# Altium PCB Cortes.PcbDoc (part 3 of 4) (continued)
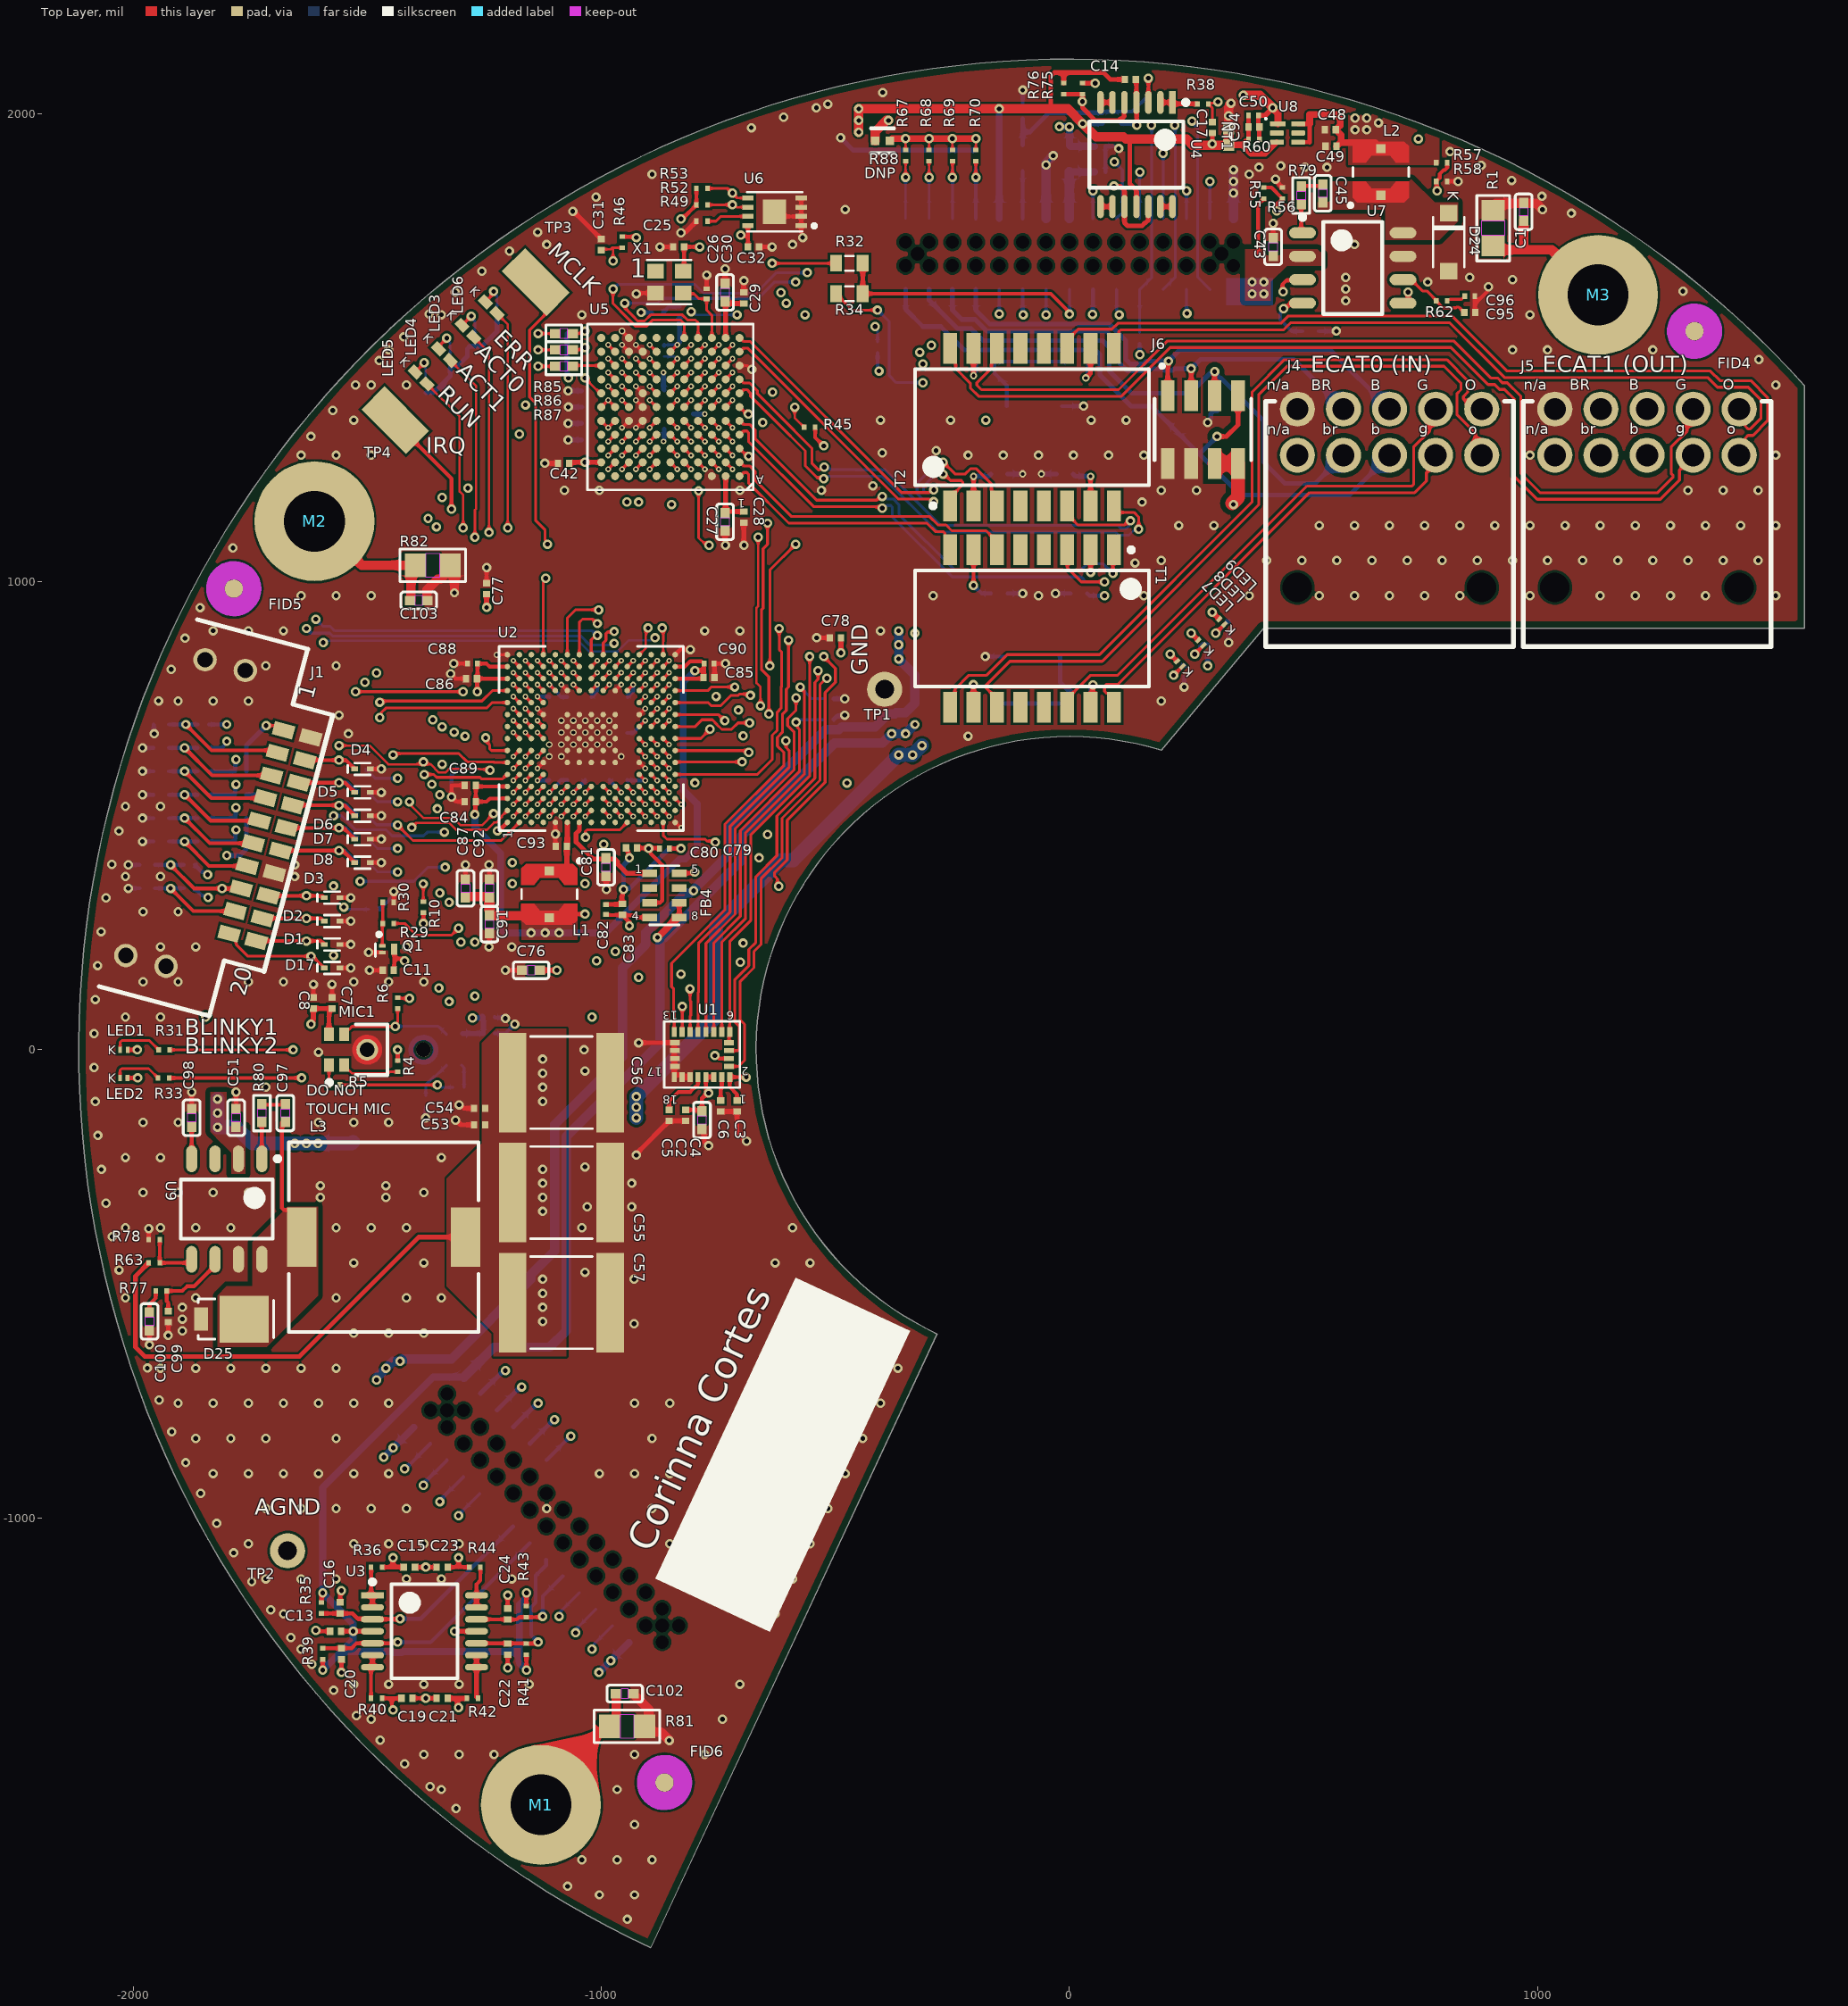
[diagram p0: Top Layer view]
## Nets (pads, with @x,y where several pads share a name; then routed paths per layer and width w, separated by ;. In a path a pad name is that pad's centre, name@x,y a point inside that pad or via, vN(x,y) a via of type N, cw(c..) or ccw(c..) an arc to the next point about the centre after c; other vN are vias at no path point) (continued)
GD_PWM_HA: J2.6 U2.E14 | length 2321.7
  Top Layer w5: v3(-1110.98,831.28) U2.E14@-1098.19,818.49
  SL1 w6: v3(-1110.98,831.28) -1110.98,974.02 -1080,1005 -486.57,1005 -471.41,1020.16 -471.41,1020.58 -451,1040.99 -451,1696.22 -382.22,1765 -72.22,1765 -22.22,1815 60,1815 72,1827 155.11,1827 163.11,1835 v1(250,1835)
  Bottom Layer w6: J2.6@250,1775.79 v1(250,1835)
GD_PWM_HB: J2.10 U2.D14 | length 2327.6
  Top Layer w5: v3(-1136.57,831.28) U2.D14@-1123.78,818.49
  SL1 w6: v3(-1136.57,831.28) -1136.57,1014.89 -1113.47,1038 -500.66,1038 -484,1054.66 -484,1709.89 -395.89,1798 -85.89,1798 -8.89,1875 v1(150,1875)
  Bottom Layer w6: J2.10@150,1775.79 v1(150,1875)
GD_PWM_HC: J2.14 U2.D13 | length 2166.8
  Top Layer w5: v3(-1136.57,805.69) U2.D13@-1123.78,792.9
  SL1 w4: v3(-1136.57,805.69) -1123.78,818.49 -1123.78,844.08
  SL1 w6: -1123.78,844.08 -1123.78,976.78 -1084.56,1016 -491.54,1016 -462,1045.54 -462,1700.77 -386.77,1776 -76.77,1776 -17.77,1835 v1(50,1835)
  Bottom Layer w6: J2.14@50,1775.79 v1(50,1835)
GD_PWM_LA: J2.4 U2.D15 | length 2404.8
  Top Layer w6: U2.D15@-1123.78,844.08 -1123.78,998.44 -1118.57,1003.65 v1(-1118.57,1007.44)
  SL1 w6: v1(-1118.57,1007.44) -1099.01,1027 -496.1,1027 -473,1050.1 -473,1705.33 -391.33,1787 -81.33,1787 -5.33,1863 136.54,1863 144.54,1855 v1(300,1855)
  Bottom Layer w6: J2.4@300,1775.79 v1(300,1855)
GD_PWM_LB: J2.8 U2.B14 | length 2498.2
  Top Layer w5: v3(-1187.76,831.28) U2.B14@-1174.96,818.49
  SL1 w6: v3(-1187.76,831.28) -1187.76,997.24 -1125,1060 -509.77,1060 -506,1063.77 -506,1719 -405,1820 -95,1820 0,1915 69.54,1915 97.54,1943 172,1943 v1(200,1915)
  Bottom Layer w6: J2.8@200,1775.79 v1(200,1915)
GD_PWM_LC: J2.12 U2.C14 | length 2342.1
  Top Layer w5: v3(-1162.17,831.28) U2.C14@-1149.37,818.49
  SL1 w6: v3(-1162.17,831.28) -1162.17,1004.86 -1118.02,1049 -505.21,1049 -495,1059.21 -495,1714.44 -400.44,1809 -90.44,1809 3.99,1903.44 85.62,1903.44 92.05,1897 v1(95.84,1897)
  Bottom Layer w6: v1(95.84,1897) 113,1879.84 113,1828.99 112.75,1828.74 112.75,1788.54 J2.12@100,1775.79
GD_SPI_CLK: J2.3 U2.B7 | length 3338.3
  Top Layer w5: v3(-1187.76,626.56) U2.B7@-1174.96,639.35
  SL1 w6: v3(-1187.76,626.56) -1211.56,626.56 -1215,630 -1275.2,630 -1276.7,631.5 -1315.71,631.5 -1320.49,631.5 -1327.99,639 -1362.99,639 -1367.99,644 -1399,644 -1455,700 -1455,1206.11 -1232,1429.11 -1232,1555.78 -950.78,1837 -870.78,1837 -787.78,1920 -410,1920 -365,1965 -80.56,1965 -38.37,2007.19 252.81,2007.19 259.32,2000.68 259.32,1986.68 v1(262,1984)
  Bottom Layer w6: v1(262,1984) 262,1980.21 273.75,1968.46 273.75,1745.54 273.64,1745.44 273.64,1698.1 273.75,1697.99 273.75,1650.65 300,1624.4 J2.3@300,1624.21
GD_SPI_CS: J2.5 U2.G12 | length 2051.7
  Top Layer w5: v3(-1059.8,780.1) U2.G12@-1047.01,767.31
  SL1 w5: v3(-1059.8,780.1) -1029.51,810.4 -1029.51,920.85
  SL1 w6: -1029.51,920.85 -1029.51,940.4 -1012.83,957.08 -451.25,957.08 -392,1016.33 -392,1091.89 -353,1130.89 -353,1510.44 -340.44,1523 201,1523 v2(251,1573)
  Bottom Layer w6: J2.5@250,1624.21 250,1574 v2(251,1573)
GD_SPI_MISO: J2.9 R66.1 U2.D8 | length 3300.3
  Top Layer w5: v3(-1136.57,677.74) U2.D8@-1123.78,664.94
  SL1 w6: v3(-1136.57,677.74) -1164.76,649.56 -1241.61,649.56 -1242.17,649 -1267.33,649 -1269.33,651 -1308.88,651 -1315.71,657.83 -1318.88,661 -1322.09,661 -1327.09,666 -1389.89,666 -1433,709.11 -1433,1197 -1210,1420 -1210,1546.67 -943.67,1813 -942,1813 -940,1815 -861.67,1815 -784.13,1892.54 -361.45,1892.54 -358.99,1895 -75,1895 -16.57,1953.43 68.69,1953.43 69.26,1954 154.52,1954 157.84,1957.32 161.57,1957.32 164.2,1959.96 164.2,1960.41 175,1971.21 v1(175,1975)
  Bottom Layer w6: R66.1@150,1531.81 150,1624.21 175.75,1649.96 175.75,1974.25 v1(175,1975)
GD_SPI_MOSI: J2.7 U2.C7 | length 3272.6
  Top Layer w5: v3(-1162.17,626.56) U2.C7@-1149.37,639.35
  SL1 w6: v3(-1162.17,626.56) -1175.67,640.06 -1237.67,640.06 -1238.23,639.5 -1271.27,639.5 -1273.27,641.5 -1312.81,641.5 -1315.31,644 -1315.71,644 -1317.43,644 -1323.43,650 -1356.44,650 -1361.44,655 -1394.44,655 -1444,704.56 -1444,1201.56 -1221,1424.56 -1221,1551.23 -946.23,1826 -866.23,1826 -788.69,1903.54 -366.01,1903.54 -363.54,1906 -124,1906 -33.81,1996.19 203.81,1996.19 v1(225,1975)
  Bottom Layer w6: J2.7@200,1624.21 225.75,1649.96 225.75,1974.25 v1(225,1975)
GND: C1.2 C2.2 C3.2 C4.2 C5.2 C6.2 C7.2 C8.2 C9.2 C10.2 C11.2 C12.2 C25.2 C26.2 C27.1 C28.1 C29.2 C30.2 C31.2 C32.2 C33.2 C34.1 C35.1 C36.1 C37.1 C38.1 C39.1 C40.1 C41.1 C42.1 C43.2 C44.2 C46.2 C47.2 C48.2 C49.2 C51.2 C52.2 C53.2 C54.2 C55.2 C56.2 C57.2 C58.2 C59.2 C60.2 C61.2 C62.2 C63.2 C64.2 C65.2 C66.2 C67.2 C68.2 C69.2 C70.2 C71.2 C72.2 C73.2 C74.2 C75.2 C76.2 C77.2 C78.2 C81.2 C84.2 C85.2 C86.2 C87.2 C88.2 C89.2 C90.2 C91.1 C92.1 C93.2 C95.2 C96.2 C98.2 C99.1 C100.2 C101.2 C102.2 C103.2 D1.A D2.A D3.A D4.A D5.A D6.A D7.A D8.A D9.A D10.A D11.A D12.A D13.A D14.A D15.A D16.A D17.A D18.A D19.A D20.A D21.A D22.A D23.3 D24.A D25.A J1.2 J1.14 J1.MH1 J1.MH2 J1.MH3 J1.MH4 J2.2 J2.18 J4.5 J5.5 J6.2 J6.4 MIC1.3 MIC2.3 NT1.1 Q1.2 R1.1 R2.1 R3.1 R8.1 R9.1 R28.1 R30.1 R47.1 R48.1 R49.1 R51.1 R54.1 R56.1 R58.1 R59.2 R64.2 R78.1 R81.1 R82.1 TP1.1 U1.14 U1.15 U1.16 U1.17 U1.18 U1.19 U1.20 U2.A1 U2.A15 U2.C2 U2.D6 U2.D10 U2.E1 U2.F2 U2.F6 U2.F7 U2.F8 U2.F9 U2.F10 U2.F12 U2.G6 U2.G7 U2.G8 U2.G9 U2.G10 U2.H6 U2.H7 U2.H8 U2.H9 U2.H10 U2.J6 U2.J7 U2.J8 U2.J9 U2.J10 U2.J14 U2.K2 U2.K6 U2.K7 U2.K8 U2.K9 U2.K10 U2.K12 U2.M6 U2.M10 U2.R1 U2.R15 U5.A3 U5.B4 U5.B6 U5.B8 U5.B10 U5.C1 U5.E5 U5.E8 U5.E9 U5.F1 U5.F5 U5.F8 U5.G5 U5.G8 U5.J1 U5.J6 U5.J7 U5.K8 U5.K9 U5.L9 U6.1 U6.2 U6.3 U6.4 U6.9 U7.7 U9.7 X1.2 | length 5416.7
  Top Layer w5: v4(-1223.04,843.6) -1222.56,844.08 U2.A15@-1200.55,844.08 ; v3(-1162.17,498.61) U2.C2@-1149.37,511.4 ; v3(-1136.57,600.97) U2.D6@-1123.78,613.76 ; v3(-1136.57,728.92) U2.D10@-1123.78,716.13 ; v3(-1085.39,498.61) U2.F2@-1072.6,511.4 ; v3(-1085.39,780.1) U2.F12@-1072.6,767.31 ; U2.J14@-995.83,818.49 v3(-983.03,831.28) ; v3(-985.33,1240.16) U5.B10@-970.57,1254.93 ; v4@-983.03,700.83 v4(-983.03,703.33) ; U2.K9@-972.74,690.54 U2.K9@-970.24,690.54 ; U2.K2@-970.24,511.4 v3(-957.44,498.61) ; U2.K12@-970.24,767.31 v3(-957.44,780.1) ; v3(-955.81,1328.74) U5.E9@-941.04,1343.51 ; v3(-955.81,1505.91) U5.K9@-941.04,1491.15 ; v4(-955.81,1535.44) U5.L9@-941.04,1520.67 ; v3(-926.28,1240.16) U5.B8@-911.52,1254.93 ; v3(-926.28,1328.74) U5.E8@-911.52,1343.51 ; v3(-926.28,1387.8) U5.F8@-911.52,1373.04 ; v3(-926.28,1417.33) U5.G8@-911.52,1402.56 ; v3(-926.28,1505.91) U5.K8@-911.52,1491.15 ; U2.M6@-919.05,613.76 v3(-906.26,600.97) ; U2.M10@-919.05,716.13 v3(-906.26,728.92) ; v3(-896.75,1476.38) U5.J7@-881.99,1461.62 ; U5.B6@-852.46,1254.93 v3(-837.7,1240.16) ; U5.J6@-852.46,1461.62 v3(-837.7,1476.38) ; U2.R1@-842.28,485.81 -841.54,485.81 -830.23,474.5 v6(-829.49,474.5) ; U5.E5@-822.93,1343.51 v3(-808.17,1328.74) ; U5.F5@-822.93,1373.04 v3(-808.17,1387.8) ; U5.G5@-822.93,1402.56 v3(-808.17,1417.33) ; U5.B4@-793.41,1254.93 v3(-778.64,1240.16) ; U5.C1@-704.82,1284.45 -688.33,1267.96 v2(-685.27,1267.96) v2@-684.04,1266.73 ; U5.F1@-704.82,1373.04 -689.57,1357.78 v2(-686.15,1357.78) v2@-684.67,1356.3 ; U5.J1@-704.82,1461.62 -688.58,1461.62 -680.57,1453.61 v2(-678.15,1453.61)
  Top Layer w8: R78.1@-1966.81,-405 v1(-1966.81,-381.81) ; v1(-1965,-630) C100.2@-1965,-597.72 ; v1(-1925,-610) C99.1@-1925,-581.81 ; C98.2@-1875,-127.28 v2(-1875,-90) ; C51.2@-1780,-127.28 v1(-1780,-90) ; C8.2@-1615,111.81 v1(-1615,140) ; C7.2@-1575,111.81 v1(-1575,140) ; D17.A@-1558.46,175 v1(-1535,175) ; D1.A@-1558.46,225 v1(-1535,225) ; D2.A@-1558.46,275 v1(-1535,275) ; D3.A@-1558.46,325 v1(-1535,325) ; v1(-1496.89,208.11) Q1.2@-1467.8,208.11 ; v1(-1495,170) C11.2@-1466.81,170 ; D8.A@-1493.46,400 v1(-1470,400) ; D7.A@-1493.46,450 v1(-1470,450) ; D6.A@-1493.46,500 v1(-1470,500) ; D5.A@-1493.46,550 v1(-1470,550) ; D4.A@-1493.46,600 v1(-1470,600) ; R30.1@-1443.19,315 v1(-1443.19,338.19) ; v1(-1322,803.31) -1321.73,803.31 -1311.31,792.9 C86.2@-1289.13,792.9 ; v1(-1315,825) C88.2@-1285.63,825 ; C84.2@-1291.81,530 -1309.31,530 -1319.31,540 v1(-1320,540) -1320,565 C89.2@-1291.81,565 ; C87.2@-1290.12,362.78 -1290.12,394.88 v1(-1290,395) ; C77.2@-1245,996.81 v1(-1245,1030) ; v1(-1240,220) -1238.94,221.06 C91.1@-1238.94,250.57 ; v1(-1240,395) -1238.94,393.94 C92.1@-1238.94,362.78 ; v1(-1221.58,468) -1218.36,468 U2.A1@-1200.55,485.81 ; v1(-1205,170) C76.2@-1167.72,170 ; U2.E1@-1098.19,485.81 v1(-1098.19,460.71) -1098.19,435.61 C93.2@-1097.2,434.63 ; v1(-925,1615) -923.62,1616.38 X1.2@-884.53,1616.38 ; v1(-875,1715) C25.2@-846.81,1715 ; U2.R15@-842.28,844.08 -830.69,855.67 -810.59,855.67 v1(-809.88,854.96) ; C26.2@-775,1625.63 v1(-775,1655) ; C90.2@-759.37,825 v1(-735,825) ; C32.2@-663.19,1715 v1(-635,1715) ; U6.9@-630,1790 -620.16,1780.16 U6.2@-572.91,1780.16 ; U6.4@-572.91,1819.53 U6.3@-572.91,1799.84 U6.2@-572.91,1780.16 ; v1(-570,1735) -572.3,1737.3 -572.3,1744.54 -572.91,1745.16 U6.1@-572.91,1760.47 U6.2@-572.91,1780.16 ; v1(-540,880) C78.2@-511.81,880 ; C43.2@435,1732.72 v1(435,1765) ; v1(440,1860) 440,1856.81 453.09,1843.72 453.09,1842.73 454.02,1841.81 R56.1@455,1841.81 ; R58.1@806.81,1855 v1(830,1855) ; C95.2@865.63,1576.18 865.63,1593.09 ; C96.2@865.63,1610 865.63,1593.09 ; v1(895,1630) 892.7,1627.7 892.7,1620.16 865.63,1593.09
  Top Layer w10: v1@-1314.16,-150 v1(-1311.46,-150) -1310.6,-150 -1300.6,-160 C53.2@-1271.81,-160 ; v1(-1303.58,-117.51) -1300.87,-117.51 -1293.39,-125 C54.2@-1271.81,-125 ; v1(-1120.69,1252.88) C42.1@-1092.5,1252.88 ; v1(-1061.06,1791.06) -1059.25,1791.06 -1002.87,1734.68 -1002.87,1733.7 -1000.98,1731.81 C31.2@-1000,1731.81 ; C81.2@-990,372.28 -989.51,371.79 -989.51,342.99 v1(-989.01,342.5) ; v1(-925,-225) -925,-222.29 -920,-217.29 -920,-216.81 -857.87,-154.69 -857.87,-153.7 -855.98,-151.81 C2.2@-820,-151.81 ; v1(-920,15) U1.14@-843.27,15 ; U1.14@-842.87,15.39 U1.14@-843.27,15 ; v1(-830,1745) -828.09,1746.91 -819.9,1746.91 R49.1@-796.81,1770 ; U1.20@-810.39,-58.03 -825.91,-58.03 -830.94,-53 -839.22,-53 U1.18@-844.25,-58.03 -844.25,14.02 U1.14@-843.27,15 ; C4.2@-785,-167.72 -780,-172.72 -780,-196.29 -771.29,-205 v1(-771,-205) ; C90.2@-759.25,824.88 -759.25,820.54 -758.19,819.47 C85.2@-758.19,795 ; C6.2@-745,-131.81 C3.2@-710,-131.81 -710,-175 -690.23,-194.77 v1(-689.77,-194.77) ; C27.1@-735.69,1110.16 -735.69,1078.69 v1(-735,1078) ; C30.2@-735.69,1635.59 v1(-735.69,1667.88) ; C28.1@-695.69,1126.07 -695.69,1078.69 v1(-695,1078) ; C29.2@-695.69,1617.88 v1(-695.69,1642.88)
  Top Layer w20: C103.2@-1372.28,960 -1372.28,982.2 -1349.2,1005.29 -1343.45,1005.29 -1313.74,1035 v1(-1313.74,976.26) ; C102.2@-932.28,-1375 -898.74,-1408.54 -898.74,-1445 -886.1,-1457.64 -872.36,-1457.64 v1(-855,-1475) ; NT1.1@340,1967.72 340,2012.36 342.28,2014.64 342.28,2019.3 v1(345,2022.02) ; R1.1@905,1801.26 911.46,1807.72 970,1807.72 997.28,1807.72 v1(1010,1795)
  Bottom Layer w5: C33.2@-865.69,1481.07 -844.82,1481.07 -840.13,1476.38 v3(-837.7,1476.38)
  Bottom Layer w8: v1(-2010,345) D16.A@-1986.54,345 ; v1(-2010,395) D15.A@-1986.54,395 ; v1(-1980,445) D14.A@-1956.54,445 ; v1(-1980,495) D13.A@-1956.54,495 ; v1(-1980,545) D12.A@-1956.54,545 ; v1(-1980,595) D11.A@-1956.54,595 ; v1(-1980,645) D10.A@-1956.54,645 ; D9.A@-1956.54,695 -1955.77,694.23 -1955.77,675.77 v1(-1955,675) ; R28.1@-1473.19,300 -1445.49,327.7 v1@-1445.49,335.89 ; v1(-1375,-145) R8.1@-1375,-121.81 ; v1(-1320,540) -1320,586.81 R9.1@-1306.81,600 ; C9.2@-1228.19,35 -1205,35 v1(-1185,55) ; C10.2@-1228.19,70 -1226.69,68.5 -1206.5,68.5 v1(-1205,67) ; v1(-180,840) C64.2@-139.06,840 ; C60.2@-132.28,975 v1(-100,975) ; D18.A@-100,2021.54 v1(-100,2050) ; v1(-30,975) C61.2@2.28,975 ; C65.2@-15.94,1375 v1(30,1375) ; C59.2@76.81,1875 C58.2@76.81,1930 94.31,1930 95.02,1930.7 96.05,1930.7 101.75,1925 v1(105,1925) ; v1(245,775) R59.2@245,798.19 ; v1(340,870) R64.2@340,893.19 ; C52.2@532.72,1535 v1(570,1535)
  Bottom Layer w10: R51.1@-1375,1403.19 -1359.09,1403.19 -1340.78,1421.5 ; v1(-1325,1405) -1325,1405.72 -1340.78,1421.5 ; R54.1@-1222.47,1560.66 -1222.47,1534.81 -1254.09,1503.19 R47.1@-1270,1503.19 -1280.05,1503.19 -1285.91,1497.33 -1285.91,1481.32 -1306.57,1460.66 R48.1@-1322.47,1460.66 -1322.47,1439.81 -1340.78,1421.5 ; v1(-1070.69,1302.88) C41.1@-1042.5,1302.88 ; v1(-1070.69,1337.88) C40.1@-1042.5,1337.88 ; v1(-1070.69,1407.88) C38.1@-1042.5,1407.88 ; v1(-1070.53,1373.04) C39.1@-1041.44,1373.04 ; v3(-867.22,1446.85) -867.22,1411.22 C37.1@-865.69,1409.69 ; v3(-866.96,1299.48) -866.96,1300.57 -865.69,1301.83 C36.1@-865.69,1326.07 ; C35.1@-803.88,1357.88 -779.04,1357.88 v3(-778.91,1358) ; R2.1@-503.19,750 v1(-480,750) ; R3.1@-503.11,705.91 -495.93,713.09 -481.91,713.09 v1(-480,715) ; v1(-489,1948.5) -462.04,1921.54 D21.A@-300,1921.54 D20.A@-250,1921.54 D19.A@-200,1921.54 ; C63.2@-132.28,1230 v5(-100,1230) ; v5(-60,1230) C62.2@-27.72,1230 ; v1(295,1340) 295,1342.71 301.65,1349.36 301.65,1358.19 308.46,1365 D23.3@315.35,1365
  Bottom Layer w20: J2.18@-50,1775.79 -50,1890 v1(-50.23,1890.23) -50.23,1894.77 -35.23,1909.77 v1(-34.77,1909.77) ; J2.2@350,1775.79 v1(350,1830) v1(350,1855) v1(350,1880)
  other v1: -1895,-600 -930,-585 -1895,-575 -1895,-550 -930,-490 -1035,-475 -1030,-335 -935,-335 -1600,-315 -1460,-315 -1600,-290 -1460,-290 -935,-285 -1035,-250 -1035,-45 -1036.6,0 -1655,370 -1655,395 -1540,675 -1560,715 140,1040 155,1170 -530,1195 -400,1275 -285,1280 590,1600 590,1625 765,1640 590,1650 855,1650 405,1885 503,1885 550,1885 451.14,1888 340,1995
  other v2: -944.61,-1857.11 -1003.91,-1804.84 -928.91,-1804.84 -1071.85,-1786.69 -1041.41,-1729.84 -966.41,-1729.84 -891.41,-1729.84 -928.91,-1654.84 -1310.08,-1620.13 -1341.41,-1579.84 -966.41,-1579.84 -1365.82,-1573.42 -1419.9,-1524.8 -1378.91,-1504.84 -1303.91,-1504.84 -1228.91,-1504.84 -928.91,-1504.84 -778.91,-1504.84 -1472.25,-1474.31 -1491.41,-1429.84 -741.41,-1429.84 -1522.81,-1422.03 -1571.51,-1368.02 -1528.91,-1354.84 -1453.91,-1354.84 -1378.91,-1354.84 -1303.91,-1354.84 -1153.91,-1354.84 -703.91,-1354.84 -1618.29,-1312.34 -1641.41,-1279.84 -1663.11,-1255.07 -1678.91,-1204.84 -628.91,-1204.84 -1705.9,-1196.26 -1746.61,-1136 -1716.41,-1129.84 -1641.41,-1129.84 -1566.41,-1129.84 -1416.41,-1129.84 -1341.41,-1129.84 -1191.41,-1129.84 -591.41,-1129.84 -1785.19,-1074.35 -1753.91,-1054.84 -1528.91,-1054.84 -1453.91,-1054.84 -1378.91,-1054.84 -1303.91,-1054.84 -853.91,-1054.84 -628.91,-1054.84 -553.91,-1054.84 -1821.6,-1011.39 -1716.41,-979.84 -1641.41,-979.84 -1566.41,-979.84 -1491.41,-979.84 -1416.41,-979.84 -1116.41,-979.84 -891.41,-979.84 -591.41,-979.84 -516.41,-979.84 -1855.78,-947.2 -1828.91,-904.84 -1753.91,-904.84 -1678.91,-904.84 -1603.91,-904.84 -1528.91,-904.84 -1453.91,-904.84 -1003.91,-904.84 -928.91,-904.84 -853.91,-904.84 -628.91,-904.84 -553.91,-904.84 -478.91,-904.84 -1887.71,-881.86 -1866.41,-829.84 -1791.41,-829.84 -1716.41,-829.84 -1566.41,-829.84 -891.41,-829.84 -591.41,-829.84 -516.41,-829.84 -441.41,-829.84 -1917.34,-815.44 -1903.91,-754.84 -1828.91,-754.84 -1753.91,-754.84 -1678.91,-754.84 -1603.91,-754.84 -1528.91,-754.84 -1453.91,-754.84 -928.91,-754.84 -853.91,-754.84 -628.91,-754.84 -553.91,-754.84 -478.91,-754.84 -403.91,-754.84 -1944.63,-748.03 -1969.55,-679.71 -1941.41,-679.84 -1866.41,-679.84 -1791.41,-679.84 -1716.41,-679.84 -1641.41,-679.84 -1566.41,-679.84 -591.41,-679.84 -516.41,-679.84 -441.41,-679.84 -366.41,-679.84 -1528.91,-604.84 -1453.91,-604.84 -1378.91,-604.84 -628.91,-604.84 -553.91,-604.84 -478.91,-604.84 -403.91,-604.84 -2016.41,-529.84 -1866.41,-529.84 -1566.41,-529.84 -1416.41,-529.84 -1341.41,-529.84 -591.41,-529.84 -516.41,-529.84 -2029.81,-470.11 -1528.91,-454.84 -1378.91,-454.84 -628.91,-454.84 -553.91,-454.84 -2044.98,-398.99 -2016.41,-379.84 -1941.41,-379.84 -1866.41,-379.84 -1791.41,-379.84 -1566.41,-379.84 -1491.41,-379.84 -1416.41,-379.84 -1041.41,-379.84 -591.41,-379.84 -2057.66,-327.38 -1978.91,-304.84 -1903.91,-304.84 -1828.91,-304.84 -1753.91,-304.84 -1378.91,-304.84 -2067.83,-255.37 -2016.41,-229.84 -1941.41,-229.84 -1341.41,-229.84 -2075.48,-183.04 -1978.91,-154.84 -1903.91,-154.84 -1603.91,-154.84 -1528.91,-154.84 -1453.91,-154.84 -2080.6,-110.5 -1716.41,-79.84 -2083.19,-37.82 -1603.91,-4.84 -2083.24,34.91 -2016.41,70.16 -1941.41,70.16 -2080.76,107.59 -1978.91,145.16 -1903.91,145.16 -1753.91,145.16 -1678.91,145.16 -1528.91,145.16 -1453.91,145.16 -1378.91,145.16 -2075.73,180.14 -1941.41,220.16 -1866.41,220.16 -1416.41,220.16 -1191.41,220.16 -2068.18,252.47 -1978.91,295.16 -1903.91,295.16 -2058.11,324.5 -2016.41,370.16 -1941.41,370.16 -2045.53,396.13 -2030.46,467.27 -2016.41,520.16 -1941.41,520.16 -216.41,670.16 -1945.67,745.31 -1903.91,745.16 -1828.91,745.16 -1753.91,745.16 196.09,745.16 -1918.47,812.76 -1716.41,820.16 -1566.41,820.16 -1888.94,879.22 -1828.91,895.16 -1753.91,895.16 -1678.91,895.16 -778.91,895.16 -703.91,895.16 -403.91,895.16 -1857.11,944.61 -1641.41,970.16 -1566.41,970.16 -1491.41,970.16 -291.41,970.16 -66.41,970.16 158.59,970.16 383.59,970.16 533.59,970.16 608.59,970.16 683.59,970.16 758.59,970.16 833.59,970.16 983.59,970.16 1133.59,970.16 1208.59,970.16 1283.59,970.16 1358.59,970.16 1508.59,970.16 196.09,1045.16 421.09,1045.16 496.09,1045.16 571.09,1045.16 646.09,1045.16 721.09,1045.16 796.09,1045.16 871.09,1045.16 946.09,1045.16 1021.09,1045.16 1096.09,1045.16 1171.09,1045.16 1246.09,1045.16 1321.09,1045.16 1396.09,1045.16 1471.09,1045.16 -1786.69,1071.85 233.59,1120.16 308.59,1120.16 533.59,1120.16 608.59,1120.16 683.59,1120.16 758.59,1120.16 833.59,1120.16 908.59,1120.16 983.59,1120.16 1058.59,1120.16 1133.59,1120.16 1208.59,1120.16 1283.59,1120.16 1358.59,1120.16 1433.59,1120.16 1508.59,1120.16 -1078.91,1195.16 -1003.91,1195.16 -703.91,1195.16 196.09,1195.16 271.09,1195.16 1321.09,1195.16 1396.09,1195.16 1471.09,1195.16 -420,1205 -1641.41,1270.16 -1566.41,1270.16 -1491.41,1270.16 -216.41,1270.16 -141.41,1270.16 -66.41,1270.16 8.59,1270.16 83.59,1270.16 158.59,1270.16 983.59,1270.16 1508.59,1270.16 -1620.13,1310.08 -1528.91,1345.16 -403.91,1345.16 -253.91,1345.16 46.09,1345.16 121.09,1345.16 -1573.42,1365.82 -1524.8,1419.9 -1491.41,1420.16 -1416.41,1420.16 1508.59,1420.16 -1474.31,1472.25 1472.25,1474.31 -1453.91,1495.16 946.09,1495.16 1021.09,1495.16 1246.09,1495.16 -1422.03,1522.81 -1341.41,1570.16 -1041.41,1570.16 983.59,1570.16 -1368.02,1571.51 -1312.34,1618.29 1310.08,1620.13 946.09,1645.16 -1255.07,1663.11 -1196.26,1705.9 -1116.41,1720.16 -591.41,1720.16 608.59,1720.16 -1136,1746.61 1071.85,1786.69 -478.91,1795.16 -1011.39,1821.59 1008.84,1823.01 944.61,1857.11 -891.41,1870.16 383.59,1870.16 879.22,1888.94 812.76,1918.47 745.31,1945.67 -679.71,1969.55 -610.56,1992.07 -540.67,2012.16 -516.41,2020.16 -398.99,2044.98
  other v4: -1110.98,626.56 -1085.39,626.56 -957.44,626.56 -1110.98,652.15 -1085.39,652.15 -1059.8,652.15 -1034.21,652.15 -1008.62,652.15 -983.03,652.15 -1085.39,677.74 -1059.8,677.74 -1034.21,677.74 -1008.62,677.74 -983.03,677.74 -1085.39,703.33 -1059.8,703.33 -1034.21,703.33 -1008.62,703.33
IA_ADC: J3.4 U2.R3 | length 1874.7
  Top Layer w5: U2.R3@-842.28,536.99 v3(-829.49,524.2)
  SL1 w6: v1(-1420,-895) -1420,-816.11 -1422,-814.11 -1422,-725.89 -1309.11,-613 -1114.11,-613 -900,-398.89 -900,180.56 -862,218.56 -862,286.34 -850,298.34 -850,383.45 -850,480 -829.49,500.51 v3(-829.49,524.2)
  Bottom Layer w8: v1(-1420,-895) -1418.84,-895 J3.4@-1365.29,-841.46
IB_ADC: J3.6 U2.P3 | length 2011.7
  Top Layer w5: U2.P3@-867.87,536.99 v3(-855.08,524.2)
  SL1 w6: v1(-1380,-930) -1380,-840.56 -1411,-809.56 -1411,-730.44 -1304.56,-624 -1109.56,-624 -889,-403.44 -889,176 -851,214 -851,281.78 -831.76,301.03 -831.76,383.45 -831.76,388.24 -804.5,415.5 -804.5,470.8 -788.5,486.8 -788.5,525 -803.5,540 -840,540 -855.08,524.92 v3(-855.08,524.2)
  Bottom Layer w8: v1(-1380,-930) -1380,-926.87 J3.6@-1329.94,-876.81
IC_ADC: J3.8 U2.N7 | length 2167.4
  Top Layer w5: U2.N7@-893.46,639.35 v3(-880.67,626.56)
  SL1 w4: v3(-880.67,626.56) -868.17,614.06 -849.9,614.06 -848.96,615 -789,615 -779,605
  SL1 w6: v1(-1345,-965) -1345,-860 -1400,-805 -1400,-735 -1300,-635 -1105,-635 -878,-408 -878,171.44 -840,209.44 -840,277.23 -820.76,296.47 -820.76,383.45 -820.76,384.24 -795,410 -795,466.87 -779,482.87 -779,605
  Bottom Layer w8: v1(-1345,-965) -1345,-962.58 J3.8@-1294.58,-912.17
JTRST: R26.1 R28.2 U2.B6 | length 1206.1
  Top Layer w5: v3(-1187.76,600.97) U2.B6@-1174.96,613.76
  SL1 w4: -1315.71,608 -1258.92,608 -1254.92,612 -1246.2,612 -1241.23,613.15 cw(c-1237.5,597.08) -1225.93,608.84 -1217.92,600.97 v3(-1187.76,600.97)
  SL1 w5: v1(-1340,610) -1338,608 -1315.71,608
  SL1 w6: v1(-1572,500) -1573.17,498.83 -1573.17,486.3 -1578,481.47 -1578,381.46 -1554,357.46 -1554,309 v1(-1550,305)
  SL2 w6: v1(-1840,325.65) -1819.35,305 v1(-1550,305) ; v1(-1340,610) -1315.71,585.71 -1301,571 -1301,524 -1315.71,509.29 -1335,490 v1(-1335,465)
  Bottom Layer w6: v1(-1572,500) -1555,500 -1540.55,485.54 -1540.39,485.54 -1524.84,470 -1460,470 -1447,457 -1379.62,457 -1371.62,465 v1(-1335,465) ; v1@-1546.21,305 -1541.21,300 R28.2@-1496.81,300
  Bottom Layer w8: R26.1@-1868.19,345 -1853.19,330 -1850.69,330 -1848.64,327.95 -1842.3,327.95 v1(-1840,325.65)
LVXSMPS: C93.1 L1.1 U2.F1 | length 101.8
  Top Layer w8: C93.1@-1073.58,434.63 C93.1@-1072.6,435.61
  Top Layer w12: -1075,385 -1073.58,386.42 C93.1@-1073.58,434.63 ; C93.1@-1072.6,435.61 U2.F1@-1072.6,485.81
MFCIO_BOOT0: R87.1 U5.J11 | length 60.4
  Top Layer w6: R87.1@-1059.82,1460 -1058.2,1461.62 U5.J11@-1000.1,1461.62
MFCIO_SCL: R84.1 R86.2 U2.A2 | length 1483.4
  Top Layer w5: v1(-1405,475) -1404.57,475 -1394.57,485 -1325,485 -1310,470 -1244.33,470 -1228.83,485.5 -1224.25,485.5 -1212.5,497.25 -1212.5,499.45 U2.A2@-1200.55,511.4 ; v1(-1135,1495) R86.2@-1100.18,1495
  SL2 w5: v1(-1405,475) -1390,490 -1390,535 -1400,545 -1400,639.14 -1410,649.14 -1410,650 -1430,670 -1430,1220.86 -1155.86,1495 v1(-1135,1495)
  Bottom Layer w5: v1(-1135,1495) R84.1@-1096.81,1495
MFCIO_SDA: R83.1 R85.2 U2.B3 | length 1490.3
  Top Layer w5: v1@-1410,525.94 -1405.13,521.07 -1405.13,520.13 -1380,495 -1315,495 -1300,480 -1255,480 -1230.5,504.5 v2(-1230,504.5) ; v3(-1187.76,524.2) U2.B3@-1174.96,536.99 ; v1(-1135,1530) R85.2@-1100.18,1530
  SL2 w5: v1(-1410,530) -1410,635 -1440,665 -1440,1225 v1(-1135,1530) ; v2(-1230,504.5) -1230,505 -1210.8,524.2 v3(-1187.76,524.2)
  Bottom Layer w5: v1(-1135,1530) R83.1@-1096.81,1530
MIC_CLK: R6.2 U2.A7 | length 805.1
  Top Layer w6: R6.2@-1435,111.81 -1433.19,110 v1(-1410,110) ; v1(-1247,666.5) -1247.18,666.32 -1247.18,660.03 -1238.6,651.45 -1238.6,643.6 -1234.35,639.35 U2.A7@-1200.55,639.35
  SL1 w6: v1(-1270,115) v1(-1270,230)
  SL2 w6: v1(-1410,110) -1343.46,110 -1332.46,121 -1317.54,121 -1310.54,114 -1271,114 v1(-1270,115) ; v1(-1270,230) -1270,475 -1250,495 -1250,510 -1254,514 -1254,590.47 -1255,591.47 -1255,623.09 -1247,631.09 v1(-1247,666.5)
MIC_CLK2: MIC1.4 MIC2.4 R6.1 | length 275.2
  Top Layer w6: MIC1.4@-1549.29,32.97 -1549.29,37.13 -1542.02,44.4 -1537.86,44.4 -1532.26,50 v1(-1440,50) -1440,53.79 -1435,58.79 R6.1@-1435,88.19
  Bottom Layer w6: v1@-1439.68,50.32 -1348.06,50.32 MIC2.4@-1330.71,32.97
MIC_DATA: R5.2 R7.2 U2.B8 | length 1168.1
  Top Layer w5: v3(-1187.76,677.74) U2.B8@-1174.96,664.94
  Top Layer w6: R5.2@-1558.19,-75 v1(-1350,-75)
  SL1 w5: v1(-1291,670) -1269.15,670 -1259.09,680.06 -1255.54,682 -1254.04,683.5 -1239.96,683.5 -1228.73,681 v3(-1187.76,677.74)
  SL1 w6: v1(-1350,-75) -1300,-25 v1(-1300,230)
  SL2 w6: v1(-1300,230) -1285,245 -1285,290 -1290,295 -1290,345 -1310,365 -1310,404 -1305,409 -1305,492.25 -1282,515.25 -1282,578.87 -1284,580.87 -1284,597.43 -1291,604.43 v1(-1291,670)
  Bottom Layer w6: v1(-1350,-75) -1346.21,-75 -1341.21,-80 R7.2@-1316.81,-80
MIC_DATA1: MIC1.1 R5.1 | length 41.9
  Top Layer w6: R5.1@-1581.65,-74.84 MIC1.1@-1581.65,-32.97
MIC_DATA2: MIC2.1 R7.1 | length 49.2
  Bottom Layer w6: MIC2.1@-1298.35,-32.97 -1293.19,-38.13 R7.1@-1293.19,-80
MOTOR_CURRENT_ADC: J3.10 U2.N11 | length 2990
  Top Layer w5: U2.N11@-893.46,741.72 v3(-880.67,754.51)
  SL1 w6: v1(-1305,-995) -1270,-995 -1255,-995 -925,-1325 -855.56,-1325 -785.38,-1254.82 -785.38,-264.62 -812,-238 -812,-72.9 -797.6,-58.5 -797.6,4.17 -781.39,20.37 -781.39,258.05 -728,311.44 -728,383.45 -728,684.36 -707.33,705.04 v1(-707.33,725.53)
  SL2 w4: v3(-880.67,754.51) -867.58,741.42 -849.9,741.42 -848.48,740 -792.04,740 -789.04,737 -727.13,737
  SL2 w5: -727.13,737 -725,737 -719.72,731.71 -717.57,731.71 -711.38,725.53 v1(-707.33,725.53)
  Bottom Layer w6: v1(-1305,-995) -1305,-993.3 J3.10@-1259.23,-947.52
MOTOR_THERM1: C16.1 J3.14 R35.1 U3.3 | length 496.4
  Top Layer w9: R35.1@-1597.64,-1203.7 C16.1@-1557.64,-1203.7 -1531.3,-1203.7 -1520,-1215 -1511.25,-1215 -1510.87,-1215.38 -1489.77,-1215.38 U3.3@-1488.86,-1216.3 -1431.3,-1216.3 v1(-1430,-1215)
  Bottom Layer w9: v1(-1430,-1215) -1385.28,-1215 J3.14@-1188.52,-1018.23
MOTOR_THERM1_ADC: C15.1 R36.2 U2.N2 | length 3151
  Top Layer w5: U2.N2@-893.46,511.4 v3(-880.67,498.61)
  Top Layer w9: R36.2@-1468.19,-1105 -1445,-1105 ; v1(-1445,-1085) -1445,-1105 ; C15.1@-1421.81,-1105 -1445,-1105
  SL1 w6: v1(-1445,-1085) -1445,-1155 -1182,-1418 -824.11,-1418 -682,-1275.89 -682,-259.11 -730.38,-210.74 -730.38,-41.75 -717.6,-28.97 -717.6,4.17 -721,7.57 -721,233.44 -649,305.44 -649,311 -645,315 v1(-645,460)
  SL2 w6: v3(-880.67,498.61) -880.67,464.51 -877.15,461 -727.13,461 -646,461 v1(-645,460)
MOTOR_THERM2: C20.1 J3.16 R39.1 U3.5 | length 534.9
  Top Layer w8: R39.1@-1595,-1278.19 C20.1@-1555,-1278.19 -1533.19,-1278.19 -1522.48,-1267.48 U3.5@-1488.86,-1267.48 -1445.69,-1267.48 -1445.5,-1267.3 -1437.3,-1267.3 v1(-1435,-1265)
  Bottom Layer w8: v1(-1435,-1265) -1364.57,-1265 J3.16@-1153.16,-1053.59
MOTOR_THERM2_ADC: C19.1 R40.2 U2.J3 | length 3094.9
  Top Layer w5: U2.J3@-995.83,536.99 v3(-983.03,524.2)
  Top Layer w8: R40.2@-1468.19,-1385 -1447.5,-1385 ; v1(-1445,-1410) -1447.3,-1407.7 -1447.3,-1399.52 -1447.5,-1399.31 -1447.5,-1385 ; C19.1@-1426.81,-1385 -1447.5,-1385
  SL1 w4: v3(-983.03,524.2) -970,511.17 -970,383.45
  SL1 w5: v1(-970,210) -970,383.45
  SL1 w6: v1(-1445,-1410) -1415,-1440 -815,-1440 -660,-1285 -660,-250 -708.38,-201.62 -708.38,-50.86 -692,-34.48 -692,68.75 -685,75.75 -685,212.2 -697,224.2 v1(-697,227.99)
  SL2 w6: v1(-970,210) -714.99,210 v1(-697,227.99)
MOTOR_THERM3: C22.1 J3.18 R41.1 U3.10 | length 328.6
  Top Layer w8: U3.10@-1266.42,-1267.48 -1160.71,-1267.48 R41.1@-1160,-1268.19 -1144.09,-1268.19 -1143.2,-1267.3 -1137.3,-1267.3 v1(-1135,-1265)
  Bottom Layer w8: v1(-1135,-1265) -1150,-1250 -1150,-1190 -1140,-1180 -1140,-1123.03 -1117.81,-1100.84 J3.18@-1117.81,-1088.95

## Text inside footprints (layer, text, board x,y; h text height)
U1: (M1) Top Assembly "1" at -716.1,-90.94 h31.5 r180; (M1) Top Assembly "2" at -685,-30 h31.5 r180; (M1) Top Assembly "18" at -836.1,-90.94 h31.5 r180; (M1) Top Assembly "17" at -869.65,-30.94 h31.5 r180; (M1) Top Assembly "13" at -836.1,89.06 h31.5 r180; (M1) Top Assembly "6" at -716.1,89.06 h31.5 r180; Top Overlay "1" at -690,-90 h31.5 r180; Top Overlay "2" at -685,-30 h31.5 r180; Top Overlay "18" at -836.1,-90.94 h31.5 r180; Top Overlay "17" at -869.65,-30.94 h31.5 r180; Top Overlay "13" at -836.1,89.06 h31.5 r180; Top Overlay "6" at -716.1,89.06 h31.5 r180
U2: (M1) Top Assembly "15" at -1235.59,829.12 h19.68 r90; (M1) Top Assembly "14" at -1260,803.92 h19.68 r90; (M1) Top Assembly "13" at -1235.59,778.33 h19.68 r90; (M1) Top Assembly "12" at -1259.61,753.53 h19.68 r90; (M1) Top Assembly "11" at -1235.98,728.72 h19.68 r90; (M1) Top Assembly "10" at -1259.61,702.74 h19.68 r90; (M1) Top Assembly "9" at -1235.98,683.84 h19.68 r90; (M1) Top Assembly "8" at -1259.21,658.65 h19.68 r90; (M1) Top Assembly "7" at -1235.98,632.66 h19.68 r90; (M1) Top Assembly "6" at -1260,607.86 h19.68 r90; (M1) Top Assembly "5" at -1235.98,581.87 h19.68 r90; (M1) Top Assembly "4" at -1258.03,556.28 h19.68 r90; (M1) Top Assembly "3" at -1236.38,529.51 h19.68 r90; (M1) Top Assembly "2" at -1257.24,501.56 h19.68 r90; (M1) Top Assembly "1" at -1235.98,481.48 h19.68 r90; (M1) Top Assembly "A" at -1194.25,437.39 h19.68 r90; (M1) Top Assembly "B" at -1167.09,420.85 h19.68 r90; (M1) Top Assembly "C" at -1140.31,437.39 h19.68 r90; (M1) Top Assembly "D" at -1116.3,418.09 h19.68 r90; (M1) Top Assembly "E" at -1086.77,436.99 h19.68 r90; (M1) Top Assembly "F" at -1062.76,417.31 h19.68 r90; (M1) Top Assembly "G" at -1039.13,437.39 h19.68 r90; (M1) Top Assembly "H" at -1014.72,418.09 h19.68 r90; (M1) Top Assembly "J" at -987.56,436.99 h19.68 r90; (M1) Top Assembly "K" at -963.54,418.49 h19.68 r90; (M1) Top Assembly "L" at -935.98,437.39 h19.68 r90; (M1) Top Assembly "M" at -911.18,419.28 h19.68 r90; (M1) Top Assembly "N" at -885.2,436.6 h19.68 r90; (M1) Top Assembly "P" at -861.57,418.88 h19.68 r90; (M1) Top Assembly "R" at -833.62,436.6 h19.68 r90; Top Overlay "1" at -1190,450 h19.68 r90
U5: (M1) Top Assembly "A" at -652.46,1233.04 h31.5 r180; (M1) Top Assembly "1" at -692.46,1183.04 h31.5 r180; (M1) Top Assembly "2" at -722.46,1183.04 h31.5 r180; (M1) Top Assembly "3" at -752.46,1183.04 h31.5 r180; (M1) Top Assembly "7" at -872.46,1183.04 h31.5 r180; (M1) Top Assembly "4" at -782.46,1183.04 h31.5 r180; (M1) Top Assembly "6" at -842.46,1183.04 h31.5 r180; (M1) Top Assembly "5" at -812.46,1183.04 h31.5 r180; (M1) Top Assembly "8" at -902.46,1183.04 h31.5 r180; (M1) Top Assembly "9" at -932.46,1183.04 h31.5 r180; (M1) Top Assembly "10" at -962.46,1183.04 h31.5 r180; (M1) Top Assembly "11" at -1002.46,1183.04 h31.5 r180; (M1) Top Assembly "L" at -652.46,1533.04 h31.5 r180; (M1) Top Assembly "B" at -652.46,1263.04 h31.5 r180; (M1) Top Assembly "C" at -652.46,1293.04 h31.5 r180; (M1) Top Assembly "D" at -652.46,1323.04 h31.5 r180; (M1) Top Assembly "E" at -652.46,1353.04 h31.5 r180; (M1) Top Assembly "F" at -652.46,1383.04 h31.5 r180; (M1) Top Assembly "G" at -652.46,1413.04 h31.5 r180; (M1) Top Assembly "H" at -652.46,1443.04 h31.5 r180; (M1) Top Assembly "J" at -652.46,1473.04 h31.5 r180; (M1) Top Assembly "K" at -652.46,1503.04 h31.5 r180; Top Overlay "A" at -652.46,1233.04 h31.5 r180; Top Overlay "1" at -692.46,1183.04 h31.5 r180
X1: (M1) Top Assembly "1" at -938.62,1650 h39.37; Top Overlay "1" at -938.62,1650 h39.37